# KiCad board oibus-mini-CCC_PANEL.kicad_pcb (continued)
## Routing (per net, layer and track width the routed paths; a pad name or vN(x,y) marks a point on that pad's centre or on a via; arc(x,y) is an arc through that point) (continued)
/on_off: length 943.5
  Top w0.2: SW2#2.1 38.91,28.82 38.91,29.15 38.85,29.21 38.8,29.21 38.8,30.19 39.52,30.91 SW2#2.1 40.81,31.81 42.7,29.92 ; v2(55.05,36.86) 55.05,36.66 47.67,29.28 43.34,29.28 42.7,29.92 ; U8#2.29 57.16,37.26 v2(56.35,38.07) ; 42.7,29.92 43.1,30.32 C13#2.1 ; SW2#3.1 75.91,28.82 75.91,29.15 75.85,29.21 75.8,29.21 75.8,30.19 76.52,30.91 SW2#3.1 77.81,31.81 79.7,29.92 ; v2(92.05,36.86) 92.05,36.66 84.67,29.28 80.34,29.28 79.7,29.92 ; U8#4.29 94.16,37.26 v2(93.35,38.07) ; 79.7,29.92 80.1,30.32 C13#3.1 ; SW2#4.1 112.91,28.82 112.91,29.15 112.85,29.21 112.8,29.21 112.8,30.19 113.52,30.91 SW2#4.1 114.81,31.81 116.7,29.92 ; v2(129.05,36.86) 129.05,36.66 121.67,29.28 117.34,29.28 116.7,29.92 ; U8#3.29 131.16,37.26 v2(130.35,38.07) ; 116.7,29.92 117.1,30.32 C13#4.1 ; SW2#5.1 149.91,28.82 149.91,29.15 149.85,29.21 149.8,29.21 149.8,30.19 150.52,30.91 SW2#5.1 151.81,31.81 153.7,29.92 ; v2(166.05,36.86) 166.05,36.66 158.67,29.28 154.34,29.28 153.7,29.92 ; U8#6.29 168.16,37.26 v2(167.35,38.07) ; 153.7,29.92 154.1,30.32 C13#5.1 ; SW2#6.1 186.91,28.82 186.91,29.15 186.85,29.21 186.8,29.21 186.8,30.19 187.52,30.91 SW2#6.1 188.81,31.81 190.7,29.92 ; v2(203.05,36.86) 203.05,36.66 195.67,29.28 191.34,29.28 190.7,29.92 ; U8#5.29 205.16,37.26 v2(204.35,38.07) ; 190.7,29.92 191.1,30.32 C13#6.1 ; SW2#8.1 223.91,28.82 223.91,29.15 223.85,29.21 223.8,29.21 223.8,30.19 224.52,30.91 SW2#8.1 225.81,31.81 227.7,29.92 ; v2(240.05,36.86) 240.05,36.66 232.67,29.28 228.34,29.28 227.7,29.92 ; U8#7.29 242.16,37.26 v2(241.35,38.07) ; 227.7,29.92 228.1,30.32 C13#8.1 ; SW2#7.1 260.91,28.82 260.91,29.15 260.85,29.21 260.8,29.21 260.8,30.19 261.52,30.91 SW2#7.1 262.81,31.81 264.7,29.92 ; v2(277.05,36.86) 277.05,36.66 269.67,29.28 265.34,29.28 264.7,29.92 ; U8#8.29 279.16,37.26 v2(278.35,38.07) ; 264.7,29.92 265.1,30.32 C13#7.1 ; SW2#9.1 1.91,94.82 1.91,95.15 1.85,95.21 1.8,95.21 1.8,96.19 2.52,96.91 SW2#9.1 3.81,97.81 5.7,95.92 ; v2(18.05,102.86) 18.05,102.66 10.67,95.28 6.34,95.28 5.7,95.92 ; U8#11.29 20.16,103.26 v2(19.35,104.07) ; 5.7,95.92 6.1,96.32 C13#9.1 ; SW2#11.1 75.91,94.82 75.91,95.15 75.85,95.21 75.8,95.21 75.8,96.19 76.52,96.91 SW2#11.1 77.81,97.81 79.7,95.92 ; v2(92.05,102.86) 92.05,102.66 84.67,95.28 80.34,95.28 79.7,95.92 ; U8#13.29 94.16,103.26 v2(93.35,104.07) ; 79.7,95.92 80.1,96.32 C13#11.1 ; SW2#13.1 38.91,94.82 38.91,95.15 38.85,95.21 38.8,95.21 38.8,96.19 39.52,96.91 SW2#13.1 40.81,97.81 42.7,95.92 ; v2(55.05,102.86) 55.05,102.66 47.67,95.28 43.34,95.28 42.7,95.92 ; U8#9.29 57.16,103.26 v2(56.35,104.07) ; 42.7,95.92 43.1,96.32 C13#13.1 ; SW2#12.1 112.91,94.82 112.91,95.15 112.85,95.21 112.8,95.21 112.8,96.19 113.52,96.91 SW2#12.1 114.81,97.81 116.7,95.92 ; v2(129.05,102.86) 129.05,102.66 121.67,95.28 117.34,95.28 116.7,95.92 ; U8#10.29 131.16,103.26 v2(130.35,104.07) ; 116.7,95.92 117.1,96.32 C13#12.1 ; SW2#14.1 149.91,94.82 149.91,95.15 149.85,95.21 149.8,95.21 149.8,96.19 150.52,96.91 SW2#14.1 151.81,97.81 153.7,95.92 ; v2(166.05,102.86) 166.05,102.66 158.67,95.28 154.34,95.28 153.7,95.92 ; U8#12.29 168.16,103.26 v2(167.35,104.07) ; 153.7,95.92 154.1,96.32 C13#14.1 ; SW2#10.1 186.91,94.82 186.91,95.15 186.85,95.21 186.8,95.21 186.8,96.19 187.52,96.91 SW2#10.1 188.81,97.81 190.7,95.92 ; v2(203.05,102.86) 203.05,102.66 195.67,95.28 191.34,95.28 190.7,95.92 ; U8#14.29 205.16,103.26 v2(204.35,104.07) ; 190.7,95.92 191.1,96.32 C13#10.1 ; SW2#16.1 223.91,94.82 223.91,95.15 223.85,95.21 223.8,95.21 223.8,96.19 224.52,96.91 SW2#16.1 225.81,97.81 227.7,95.92 ; v2(240.05,102.86) 240.05,102.66 232.67,95.28 228.34,95.28 227.7,95.92 ; U8#15.29 242.16,103.26 v2(241.35,104.07) ; 227.7,95.92 228.1,96.32 C13#16.1 ; v2(277.05,102.86) 277.05,102.66 269.67,95.28 265.34,95.28 264.7,95.92 ; U8#16.29 279.16,103.26 v2(278.35,104.07) ; 264.7,95.92 265.1,96.32 C13#15.1 ; 264.7,95.92 262.81,97.81 SW2#15.1 261.52,96.91 260.8,96.19 260.8,95.21 260.85,95.21 260.91,95.15 260.91,94.82 SW2#15.1 ; SW2#25.1 1.91,226.82 1.91,227.15 1.85,227.21 1.8,227.21 1.8,228.19 2.52,228.91 SW2#25.1 3.81,229.81 5.7,227.92 ; v2(18.05,234.86) 18.05,234.66 10.67,227.28 6.34,227.28 5.7,227.92 ; U8#25.29 20.16,235.26 v2(19.35,236.07) ; 5.7,227.92 6.1,228.32 C13#25.1 ; SW2#27.1 75.91,226.82 75.91,227.15 75.85,227.21 75.8,227.21 75.8,228.19 76.52,228.91 SW2#27.1 77.81,229.81 79.7,227.92 ; v2(92.05,234.86) 92.05,234.66 84.67,227.28 80.34,227.28 79.7,227.92 ; U8#29.29 94.16,235.26 v2(93.35,236.07) ; 79.7,227.92 80.1,228.32 C13#27.1 ; SW2#29.1 38.91,226.82 38.91,227.15 38.85,227.21 38.8,227.21 38.8,228.19 39.52,228.91 SW2#29.1 40.81,229.81 42.7,227.92 ; v2(55.05,234.86) 55.05,234.66 47.67,227.28 43.34,227.28 42.7,227.92 ; U8#21.29 57.16,235.26 v2(56.35,236.07) ; 42.7,227.92 43.1,228.32 C13#29.1 ; U8#24.29 131.16,235.26 v2(130.35,236.07) ; 116.7,227.92 117.1,228.32 C13#28.1 ; 116.7,227.92 117.34,227.28 121.67,227.28 129.05,234.66 v2(129.05,234.86) ; 116.7,227.92 114.81,229.81 SW2#28.1 113.52,228.91 112.8,228.19 112.8,227.21 112.85,227.21 112.91,227.15 112.91,226.82 SW2#28.1 ; SW2#30.1 149.91,226.82 149.91,227.15 149.85,227.21 149.8,227.21 149.8,228.19 150.52,228.91 SW2#30.1 151.81,229.81 153.7,227.92 ; v2(166.05,234.86) 166.05,234.66 158.67,227.28 154.34,227.28 153.7,227.92 ; U8#28.29 168.16,235.26 v2(167.35,236.07) ; 153.7,227.92 154.1,228.32 C13#30.1 ; SW2#17.1 1.91,160.82 1.91,161.15 1.85,161.21 1.8,161.21 1.8,162.19 2.52,162.91 SW2#17.1 3.81,163.81 5.7,161.92 ; v2(18.05,168.86) 18.05,168.66 10.67,161.28 6.34,161.28 5.7,161.92 ; U8#19.29 20.16,169.26 v2(19.35,170.07) ; 5.7,161.92 6.1,162.32 C13#17.1 ; SW2#19.1 75.91,160.82 75.91,161.15 75.85,161.21 75.8,161.21 75.8,162.19 76.52,162.91 SW2#19.1 77.81,163.81 79.7,161.92 ; v2(92.05,168.86) 92.05,168.66 84.67,161.28 80.34,161.28 79.7,161.92 ; U8#22.29 94.16,169.26 v2(93.35,170.07) ; 79.7,161.92 80.1,162.32 C13#19.1 ; SW2#21.1 38.91,160.82 38.91,161.15 38.85,161.21 38.8,161.21 38.8,162.19 39.52,162.91 SW2#21.1 40.81,163.81 42.7,161.92 ; v2(55.05,168.86) 55.05,168.66 47.67,161.28 43.34,161.28 42.7,161.92 ; U8#17.29 57.16,169.26 v2(56.35,170.07) ; 42.7,161.92 43.1,162.32 C13#21.1 ; SW2#20.1 112.91,160.82 112.91,161.15 112.85,161.21 112.8,161.21 112.8,162.19 113.52,162.91 SW2#20.1 114.81,163.81 116.7,161.92 ; v2(129.05,168.86) 129.05,168.66 121.67,161.28 117.34,161.28 116.7,161.92 ; U8#18.29 131.16,169.26 v2(130.35,170.07) ; 116.7,161.92 117.1,162.32 C13#20.1 ; SW2#22.1 149.91,160.82 149.91,161.15 149.85,161.21 149.8,161.21 149.8,162.19 150.52,162.91 SW2#22.1 151.81,163.81 153.7,161.92 ; v2(166.05,168.86) 166.05,168.66 158.67,161.28 154.34,161.28 153.7,161.92 ; U8#20.29 168.16,169.26 v2(167.35,170.07) ; 153.7,161.92 154.1,162.32 C13#22.1 ; SW2#18.1 186.91,160.82 186.91,161.15 186.85,161.21 186.8,161.21 186.8,162.19 187.52,162.91 SW2#18.1 188.81,163.81 190.7,161.92 ; v2(203.05,168.86) 203.05,168.66 195.67,161.28 191.34,161.28 190.7,161.92 ; U8#23.29 205.16,169.26 v2(204.35,170.07) ; 190.7,161.92 191.1,162.32 C13#18.1 ; SW2#24.1 223.91,160.82 223.91,161.15 223.85,161.21 223.8,161.21 223.8,162.19 224.52,162.91 SW2#24.1 225.81,163.81 227.7,161.92 ; v2(240.05,168.86) 240.05,168.66 232.67,161.28 228.34,161.28 227.7,161.92 ; U8#26.29 242.16,169.26 v2(241.35,170.07) ; 227.7,161.92 228.1,162.32 C13#24.1 ; v2(277.05,168.86) 277.05,168.66 269.67,161.28 265.34,161.28 264.7,161.92 ; U8#27.29 279.16,169.26 v2(278.35,170.07) ; 264.7,161.92 265.1,162.32 C13#23.1 ; 264.7,161.92 262.81,163.81 SW2#23.1 261.52,162.91 260.8,162.19 260.8,161.21 260.85,161.21 260.91,161.15 260.91,160.82 SW2#23.1 ; U8#30.29 205.16,235.26 v2(204.35,236.07) ; 190.7,227.92 191.1,228.32 C13#26.1 ; 190.7,227.92 191.34,227.28 195.67,227.28 203.05,234.66 v2(203.05,234.86) ; 190.7,227.92 188.81,229.81 SW2#26.1 187.52,228.91 186.8,228.19 186.8,227.21 186.85,227.21 186.91,227.15 186.91,226.82 SW2#26.1 ; v2(241.35,236.07) 242.16,235.26 U8#31.29 ; 227.7,227.92 228.1,228.32 C13#32.1 ; 227.7,227.92 228.34,227.28 232.67,227.28 240.05,234.66 v2(240.05,234.86) ; 227.7,227.92 225.81,229.81 SW2#32.1 224.52,228.91 223.8,228.19 223.8,227.21 223.85,227.21 223.91,227.15 223.91,226.82 SW2#32.1 ; SW2#31.1 260.91,226.82 260.91,227.15 260.85,227.21 260.8,227.21 260.8,228.19 261.52,228.91 SW2#31.1 262.81,229.81 264.7,227.92 ; v2(277.05,234.86) 277.05,234.66 269.67,227.28 265.34,227.28 264.7,227.92 ; U8#32.29 279.16,235.26 v2(278.35,236.07) ; 264.7,227.92 265.1,228.32 C13#31.1 ; 5.7,29.92 6.34,29.28 10.67,29.28 18.05,36.66 v2(18.05,36.86) ; 5.7,29.92 6.1,30.32 C13.1 ; 5.7,29.92 3.81,31.81 SW2.1 2.52,30.91 1.8,30.19 1.8,29.21 1.85,29.21 1.91,29.15 1.91,28.82 SW2.1 ; U8.29 20.16,37.26 v2(19.35,38.07)
  Bottom w0.2: v2(56.35,38.07) 56.26,38.07 v2(55.05,36.86) ; v2(93.35,38.07) 93.26,38.07 v2(92.05,36.86) ; v2(130.35,38.07) 130.26,38.07 v2(129.05,36.86) ; v2(167.35,38.07) 167.26,38.07 v2(166.05,36.86) ; v2(204.35,38.07) 204.26,38.07 v2(203.05,36.86) ; v2(241.35,38.07) 241.26,38.07 v2(240.05,36.86) ; v2(278.35,38.07) 278.26,38.07 v2(277.05,36.86) ; v2(19.35,104.07) 19.26,104.07 v2(18.05,102.86) ; v2(93.35,104.07) 93.26,104.07 v2(92.05,102.86) ; v2(56.35,104.07) 56.26,104.07 v2(55.05,102.86) ; v2(130.35,104.07) 130.26,104.07 v2(129.05,102.86) ; v2(167.35,104.07) 167.26,104.07 v2(166.05,102.86) ; v2(204.35,104.07) 204.26,104.07 v2(203.05,102.86) ; v2(241.35,104.07) 241.26,104.07 v2(240.05,102.86) ; v2(278.35,104.07) 278.26,104.07 v2(277.05,102.86) ; v2(19.35,236.07) 19.26,236.07 v2(18.05,234.86) ; v2(93.35,236.07) 93.26,236.07 v2(92.05,234.86) ; v2(56.35,236.07) 56.26,236.07 v2(55.05,234.86) ; v2(130.35,236.07) 130.26,236.07 v2(129.05,234.86) ; v2(167.35,236.07) 167.26,236.07 v2(166.05,234.86) ; v2(19.35,170.07) 19.26,170.07 v2(18.05,168.86) ; v2(93.35,170.07) 93.26,170.07 v2(92.05,168.86) ; v2(56.35,170.07) 56.26,170.07 v2(55.05,168.86) ; v2(130.35,170.07) 130.26,170.07 v2(129.05,168.86) ; v2(167.35,170.07) 167.26,170.07 v2(166.05,168.86) ; v2(204.35,170.07) 204.26,170.07 v2(203.05,168.86) ; v2(241.35,170.07) 241.26,170.07 v2(240.05,168.86) ; v2(278.35,170.07) 278.26,170.07 v2(277.05,168.86) ; v2(204.35,236.07) 204.26,236.07 v2(203.05,234.86) ; v2(241.35,236.07) 241.26,236.07 v2(240.05,234.86) ; v2(278.35,236.07) 278.26,236.07 v2(277.05,234.86) ; v2(19.35,38.07) 19.26,38.07 v2(18.05,36.86)
/RED: length 777.4
  Top w0.2: v2(63.59,44.82) 63.39,44.63 U8#2.18 ; R17#2.1 72.38,56.91 72.31,56.91 ; v2(100.59,44.82) 100.39,44.63 U8#4.18 ; R17#3.1 109.38,56.91 109.31,56.91 ; v2(137.59,44.82) 137.39,44.63 U8#3.18 ; R17#4.1 146.38,56.91 146.31,56.91 ; v2(211.59,44.82) 211.39,44.63 U8#5.18 ; R17#6.1 220.38,56.91 220.31,56.91 ; v2(174.59,44.82) 174.39,44.63 U8#6.18 ; R17#5.1 183.38,56.91 183.31,56.91 ; v2(285.59,44.82) 285.39,44.63 U8#8.18 ; R17#7.1 294.38,56.91 294.31,56.91 ; v2(248.59,44.82) 248.39,44.63 U8#7.18 ; R17#8.1 257.38,56.91 257.31,56.91 ; v2(26.59,110.82) 26.39,110.63 U8#11.18 ; R17#9.1 35.38,122.91 35.31,122.91 ; v2(137.59,110.82) 137.39,110.63 U8#10.18 ; R17#12.1 146.38,122.91 146.31,122.91 ; v2(63.59,110.82) 63.39,110.63 U8#9.18 ; R17#13.1 72.38,122.91 72.31,122.91 ; v2(100.59,110.82) 100.39,110.63 U8#13.18 ; R17#11.1 109.38,122.91 109.31,122.91 ; v2(211.59,110.82) 211.39,110.63 U8#14.18 ; R17#10.1 220.38,122.91 220.31,122.91 ; v2(174.59,110.82) 174.39,110.63 U8#12.18 ; R17#14.1 183.38,122.91 183.31,122.91 ; v2(285.59,110.82) 285.39,110.63 U8#16.18 ; R17#15.1 294.38,122.91 294.31,122.91 ; v2(248.59,110.82) 248.39,110.63 U8#15.18 ; R17#16.1 257.38,122.91 257.31,122.91 ; v2(26.59,242.82) 26.39,242.63 U8#25.18 ; R17#24.1 35.38,254.91 35.31,254.91 ; v2(63.59,242.82) 63.39,242.63 U8#21.18 ; R17#29.1 72.38,254.91 72.31,254.91 ; v2(137.59,242.82) 137.39,242.63 U8#24.18 ; R17#28.1 146.38,254.91 146.31,254.91 ; v2(100.59,242.82) 100.39,242.63 U8#29.18 ; R17#27.1 109.38,254.91 109.31,254.91 ; v2(211.59,242.82) 211.39,242.63 U8#30.18 ; R17#26.1 220.38,254.91 220.31,254.91 ; v2(26.59,176.82) 26.39,176.63 U8#19.18 ; R17#17.1 35.38,188.91 35.31,188.91 ; v2(137.59,176.82) 137.39,176.63 U8#18.18 ; R17#20.1 146.38,188.91 146.31,188.91 ; v2(63.59,176.82) 63.39,176.63 U8#17.18 ; R17#21.1 72.38,188.91 72.31,188.91 ; v2(100.59,176.82) 100.39,176.63 U8#22.18 ; R17#19.1 109.38,188.91 109.31,188.91 ; v2(211.59,176.82) 211.39,176.63 U8#23.18 ; R17#18.1 220.38,188.91 220.31,188.91 ; v2(174.59,176.82) 174.39,176.63 U8#20.18 ; R17#22.1 183.38,188.91 183.31,188.91 ; v2(285.59,176.82) 285.39,176.63 U8#27.18 ; R17#23.1 294.38,188.91 294.31,188.91 ; v2(248.59,176.82) 248.39,176.63 U8#26.18 ; R17#25.1 257.38,188.91 257.31,188.91 ; v2(174.59,242.82) 174.39,242.63 U8#28.18 ; R17#30.1 183.38,254.91 183.31,254.91 ; v2(285.59,242.82) 285.39,242.63 U8#32.18 ; R17#31.1 294.38,254.91 294.31,254.91 ; v2(248.59,242.82) 248.39,242.63 U8#31.18 ; R17#32.1 257.38,254.91 257.31,254.91 ; 35.31,56.91 35.38,56.91 R17.1 ; v2(26.59,44.82) 26.39,44.63 U8.18
  Bottom w0.2: 72.31,56.91 72.9,56.32 72.9,48.91 71.7,47.71 69.49,47.71 68.79,47.01 65.77,47.01 v2(63.59,44.82) ; 109.31,56.91 109.9,56.32 109.9,48.91 108.7,47.71 106.49,47.71 105.79,47.01 102.77,47.01 v2(100.59,44.82) ; 146.31,56.91 146.9,56.32 146.9,48.91 145.7,47.71 143.49,47.71 142.79,47.01 139.77,47.01 v2(137.59,44.82) ; 220.31,56.91 220.9,56.32 220.9,48.91 219.7,47.71 217.49,47.71 216.79,47.01 213.77,47.01 v2(211.59,44.82) ; 183.31,56.91 183.9,56.32 183.9,48.91 182.7,47.71 180.49,47.71 179.79,47.01 176.77,47.01 v2(174.59,44.82) ; 294.31,56.91 294.9,56.32 294.9,48.91 293.7,47.71 291.49,47.71 290.79,47.01 287.77,47.01 v2(285.59,44.82) ; 257.31,56.91 257.9,56.32 257.9,48.91 256.7,47.71 254.49,47.71 253.79,47.01 250.77,47.01 v2(248.59,44.82) ; 35.31,122.91 35.9,122.32 35.9,114.91 34.7,113.71 32.49,113.71 31.79,113.01 28.77,113.01 v2(26.59,110.82) ; 146.31,122.91 146.9,122.32 146.9,114.91 145.7,113.71 143.49,113.71 142.79,113.01 139.77,113.01 v2(137.59,110.82) ; 72.31,122.91 72.9,122.32 72.9,114.91 71.7,113.71 69.49,113.71 68.79,113.01 65.77,113.01 v2(63.59,110.82) ; 109.31,122.91 109.9,122.32 109.9,114.91 108.7,113.71 106.49,113.71 105.79,113.01 102.77,113.01 v2(100.59,110.82) ; 220.31,122.91 220.9,122.32 220.9,114.91 219.7,113.71 217.49,113.71 216.79,113.01 213.77,113.01 v2(211.59,110.82) ; 183.31,122.91 183.9,122.32 183.9,114.91 182.7,113.71 180.49,113.71 179.79,113.01 176.77,113.01 v2(174.59,110.82) ; 294.31,122.91 294.9,122.32 294.9,114.91 293.7,113.71 291.49,113.71 290.79,113.01 287.77,113.01 v2(285.59,110.82) ; 257.31,122.91 257.9,122.32 257.9,114.91 256.7,113.71 254.49,113.71 253.79,113.01 250.77,113.01 v2(248.59,110.82) ; 35.31,254.91 35.9,254.32 35.9,246.91 34.7,245.71 32.49,245.71 31.79,245.01 28.77,245.01 v2(26.59,242.82) ; 72.31,254.91 72.9,254.32 72.9,246.91 71.7,245.71 69.49,245.71 68.79,245.01 65.77,245.01 v2(63.59,242.82) ; 146.31,254.91 146.9,254.32 146.9,246.91 145.7,245.71 143.49,245.71 142.79,245.01 139.77,245.01 v2(137.59,242.82) ; 109.31,254.91 109.9,254.32 109.9,246.91 108.7,245.71 106.49,245.71 105.79,245.01 102.77,245.01 v2(100.59,242.82) ; 220.31,254.91 220.9,254.32 220.9,246.91 219.7,245.71 217.49,245.71 216.79,245.01 213.77,245.01 v2(211.59,242.82) ; 35.31,188.91 35.9,188.32 35.9,180.91 34.7,179.71 32.49,179.71 31.79,179.01 28.77,179.01 v2(26.59,176.82) ; 146.31,188.91 146.9,188.32 146.9,180.91 145.7,179.71 143.49,179.71 142.79,179.01 139.77,179.01 v2(137.59,176.82) ; 72.31,188.91 72.9,188.32 72.9,180.91 71.7,179.71 69.49,179.71 68.79,179.01 65.77,179.01 v2(63.59,176.82) ; 109.31,188.91 109.9,188.32 109.9,180.91 108.7,179.71 106.49,179.71 105.79,179.01 102.77,179.01 v2(100.59,176.82) ; 220.31,188.91 220.9,188.32 220.9,180.91 219.7,179.71 217.49,179.71 216.79,179.01 213.77,179.01 v2(211.59,176.82) ; 183.31,188.91 183.9,188.32 183.9,180.91 182.7,179.71 180.49,179.71 179.79,179.01 176.77,179.01 v2(174.59,176.82) ; 294.31,188.91 294.9,188.32 294.9,180.91 293.7,179.71 291.49,179.71 290.79,179.01 287.77,179.01 v2(285.59,176.82) ; 257.31,188.91 257.9,188.32 257.9,180.91 256.7,179.71 254.49,179.71 253.79,179.01 250.77,179.01 v2(248.59,176.82) ; 183.31,254.91 183.9,254.32 183.9,246.91 182.7,245.71 180.49,245.71 179.79,245.01 176.77,245.01 v2(174.59,242.82) ; 294.31,254.91 294.9,254.32 294.9,246.91 293.7,245.71 291.49,245.71 290.79,245.01 287.77,245.01 v2(285.59,242.82) ; v2(248.59,242.82) 250.77,245.01 253.79,245.01 254.49,245.71 256.7,245.71 257.9,246.91 257.9,254.32 257.31,254.91 ; 35.31,56.91 35.9,56.32 35.9,48.91 34.7,47.71 32.49,47.71 31.79,47.01 28.77,47.01 v2(26.59,44.82)
  vias: v2(35.31,254.96) v2(35.31,188.96) v2(35.31,122.96) v2(35.31,56.96) v2(72.31,254.96) v2(72.31,188.96) v2(72.31,122.96) v2(72.31,56.96) v2(109.31,254.96) v2(109.31,188.96) v2(109.31,122.96) v2(109.31,56.96) v2(146.31,254.96) v2(146.31,188.96) v2(146.31,122.96) v2(146.31,56.96) v2(183.31,254.96) v2(183.31,188.96) v2(183.31,122.96) v2(183.31,56.96) v2(220.31,254.96) v2(220.31,188.96) v2(220.31,122.96) v2(220.31,56.96) v2(257.31,254.96) v2(257.31,188.96) v2(257.31,122.96) v2(257.31,56.96) v2(294.31,254.96) v2(294.31,188.96) v2(294.31,122.96) v2(294.31,56.96)
/SCL: length 1710.8
  Top w0.15: 40,20.06 38.94,20.06 38.71,20.28 37.74,20.28 37.45,20.57 37.45,22.35 40.31,25.21 v2(44,25.21) ; 77,20.06 75.94,20.06 75.71,20.28 74.74,20.28 74.45,20.57 74.45,22.35 77.31,25.21 v2(81,25.21) ; 114,20.06 112.94,20.06 112.71,20.28 111.74,20.28 111.45,20.57 111.45,22.35 114.31,25.21 v2(118,25.21) ; 151,20.06 149.94,20.06 149.71,20.28 148.74,20.28 148.45,20.57 148.45,22.35 151.31,25.21 v2(155,25.21) ; 188,20.06 186.94,20.06 186.71,20.28 185.74,20.28 185.45,20.57 185.45,22.35 188.31,25.21 v2(192,25.21) ; 225,20.06 223.94,20.06 223.71,20.28 222.74,20.28 222.45,20.57 222.45,22.35 225.31,25.21 v2(229,25.21) ; 262,20.06 260.94,20.06 260.71,20.28 259.74,20.28 259.45,20.57 259.45,22.35 262.31,25.21 v2(266,25.21) ; 3,86.06 1.94,86.06 1.71,86.28 0.74,86.28 0.45,86.57 0.45,88.35 3.31,91.21 v2(7,91.21) ; 77,86.06 75.94,86.06 75.71,86.28 74.74,86.28 74.45,86.57 74.45,88.35 77.31,91.21 v2(81,91.21) ; 40,86.06 38.94,86.06 38.71,86.28 37.74,86.28 37.45,86.57 37.45,88.35 40.31,91.21 v2(44,91.21) ; 114,86.06 112.94,86.06 112.71,86.28 111.74,86.28 111.45,86.57 111.45,88.35 114.31,91.21 v2(118,91.21) ; 151,86.06 149.94,86.06 149.71,86.28 148.74,86.28 148.45,86.57 148.45,88.35 151.31,91.21 v2(155,91.21) ; 188,86.06 186.94,86.06 186.71,86.28 185.74,86.28 185.45,86.57 185.45,88.35 188.31,91.21 v2(192,91.21) ; 262,86.06 260.94,86.06 260.71,86.28 259.74,86.28 259.45,86.57 259.45,88.35 262.31,91.21 v2(266,91.21) ; 225,86.06 223.94,86.06 223.71,86.28 222.74,86.28 222.45,86.57 222.45,88.35 225.31,91.21 v2(229,91.21) ; 3,218.06 1.94,218.06 1.71,218.28 0.74,218.28 0.45,218.57 0.45,220.35 3.31,223.21 v2(7,223.21) ; 77,218.06 75.94,218.06 75.71,218.28 74.74,218.28 74.45,218.57 74.45,220.35 77.31,223.21 v2(81,223.21) ; 40,218.06 38.94,218.06 38.71,218.28 37.74,218.28 37.45,218.57 37.45,220.35 40.31,223.21 v2(44,223.21) ; 114,218.06 112.94,218.06 112.71,218.28 111.74,218.28 111.45,218.57 111.45,220.35 114.31,223.21 v2(118,223.21) ; 151,218.06 149.94,218.06 149.71,218.28 148.74,218.28 148.45,218.57 148.45,220.35 151.31,223.21 v2(155,223.21) ; 3,152.06 1.94,152.06 1.71,152.28 0.74,152.28 0.45,152.57 0.45,154.35 3.31,157.21 v2(7,157.21) ; 77,152.06 75.94,152.06 75.71,152.28 74.74,152.28 74.45,152.57 74.45,154.35 77.31,157.21 v2(81,157.21) ; 40,152.06 38.94,152.06 38.71,152.28 37.74,152.28 37.45,152.57 37.45,154.35 40.31,157.21 v2(44,157.21) ; 114,152.06 112.94,152.06 112.71,152.28 111.74,152.28 111.45,152.57 111.45,154.35 114.31,157.21 v2(118,157.21) ; 151,152.06 149.94,152.06 149.71,152.28 148.74,152.28 148.45,152.57 148.45,154.35 151.31,157.21 v2(155,157.21) ; 188,152.06 186.94,152.06 186.71,152.28 185.74,152.28 185.45,152.57 185.45,154.35 188.31,157.21 v2(192,157.21) ; 262,152.06 260.94,152.06 260.71,152.28 259.74,152.28 259.45,152.57 259.45,154.35 262.31,157.21 v2(266,157.21) ; 225,152.06 223.94,152.06 223.71,152.28 222.74,152.28 222.45,152.57 222.45,154.35 225.31,157.21 v2(229,157.21) ; 188,218.06 186.94,218.06 186.71,218.28 185.74,218.28 185.45,218.57 185.45,220.35 188.31,223.21 v2(192,223.21) ; 225,218.06 223.94,218.06 223.71,218.28 222.74,218.28 222.45,218.57 222.45,220.35 225.31,223.21 v2(229,223.21) ; 262,218.06 260.94,218.06 260.71,218.28 259.74,218.28 259.45,218.57 259.45,220.35 262.31,223.21 v2(266,223.21) ; v2(7,25.21) 3.31,25.21 0.45,22.35 0.45,20.57 0.74,20.28 1.71,20.28 1.94,20.06 3,20.06
  Top w0.2: R11#2.2 60.86,26.21 ; 60.86,26.21 60.72,26.35 60.72,27.68 61.06,28.02 61.06,28.02 62.89,29.85 U8#2.42 ; 60.86,26.21 60.58,25.92 v2(59.6,25.92) 59.3,25.62 59.18,25.62 57.96,24.41 54.24,24.41 53.74,24.91 51.5,24.91 51.42,24.83 47.9,24.83 v2(47.86,24.87) ; v2(59.95,24.44) 59.65,24.14 59.65,23.46 59.1,22.91 59.1,17.57 H2#2.6 ; R11#4.2 97.86,26.21 ; 97.86,26.21 97.72,26.35 97.72,27.68 98.06,28.02 98.06,28.02 99.89,29.85 U8#4.42 ; 97.86,26.21 97.58,25.92 v2(96.6,25.92) 96.3,25.62 96.18,25.62 94.96,24.41 91.24,24.41 90.74,24.91 88.5,24.91 88.42,24.83 84.9,24.83 v2(84.86,24.87) ; v2(96.95,24.44) 96.65,24.14 96.65,23.46 96.1,22.91 96.1,17.57 H2#3.6 ; R11#3.2 134.86,26.21 ; 134.86,26.21 134.72,26.35 134.72,27.68 135.06,28.02 135.06,28.02 136.89,29.85 U8#3.42 ; 134.86,26.21 134.58,25.92 v2(133.6,25.92) 133.3,25.62 133.18,25.62 131.96,24.41 128.24,24.41 127.74,24.91 125.5,24.91 125.42,24.83 121.9,24.83 v2(121.86,24.87) ; v2(133.95,24.44) 133.65,24.14 133.65,23.46 133.1,22.91 133.1,17.57 H2#4.6 ; R11#6.2 171.86,26.21 ; 171.86,26.21 171.72,26.35 171.72,27.68 172.06,28.02 172.06,28.02 173.89,29.85 U8#6.42 ; 171.86,26.21 171.58,25.92 v2(170.6,25.92) 170.3,25.62 170.18,25.62 168.96,24.41 165.24,24.41 164.74,24.91 162.5,24.91 162.42,24.83 158.9,24.83 v2(158.86,24.87) ; v2(170.95,24.44) 170.65,24.14 170.65,23.46 170.1,22.91 170.1,17.57 H2#6.6 ; R11#5.2 208.86,26.21 ; 208.86,26.21 208.72,26.35 208.72,27.68 209.06,28.02 209.06,28.02 210.89,29.85 U8#5.42 ; 208.86,26.21 208.58,25.92 v2(207.6,25.92) 207.3,25.62 207.18,25.62 205.96,24.41 202.24,24.41 201.74,24.91 199.5,24.91 199.42,24.83 195.9,24.83 v2(195.86,24.87) ; v2(207.95,24.44) 207.65,24.14 207.65,23.46 207.1,22.91 207.1,17.57 H2#5.6 ; R11#8.2 245.86,26.21 ; 245.86,26.21 245.72,26.35 245.72,27.68 246.06,28.02 246.06,28.02 247.89,29.85 U8#7.42 ; 245.86,26.21 245.58,25.92 v2(244.6,25.92) 244.3,25.62 244.18,25.62 242.96,24.41 239.24,24.41 238.74,24.91 236.5,24.91 236.42,24.83 232.9,24.83 v2(232.86,24.87) ; v2(244.95,24.44) 244.65,24.14 244.65,23.46 244.1,22.91 244.1,17.57 H2#7.6 ; R11#7.2 282.86,26.21 ; 282.86,26.21 282.72,26.35 282.72,27.68 283.06,28.02 283.06,28.02 284.89,29.85 U8#8.42 ; 282.86,26.21 282.58,25.92 v2(281.6,25.92) 281.3,25.62 281.18,25.62 279.96,24.41 276.24,24.41 275.74,24.91 273.5,24.91 273.42,24.83 269.9,24.83 v2(269.86,24.87) ; v2(281.95,24.44) 281.65,24.14 281.65,23.46 281.1,22.91 281.1,17.57 H2#8.6 ; R11#10.2 23.86,92.21 ; 23.86,92.21 23.72,92.35 23.72,93.68 24.06,94.02 24.06,94.02 25.89,95.85 U8#11.42 ; 23.86,92.21 23.58,91.92 v2(22.6,91.92) 22.3,91.62 22.18,91.62 20.96,90.41 17.24,90.41 16.74,90.91 14.5,90.91 14.42,90.83 10.9,90.83 v2(10.86,90.87) ; v2(22.95,90.44) 22.65,90.14 22.65,89.46 22.1,88.91 22.1,83.57 H2#9.6 ; R11#14.2 97.86,92.21 ; 97.86,92.21 97.72,92.35 97.72,93.68 98.06,94.02 98.06,94.02 99.89,95.85 U8#13.42 ; 97.86,92.21 97.58,91.92 v2(96.6,91.92) 96.3,91.62 96.18,91.62 94.96,90.41 91.24,90.41 90.74,90.91 88.5,90.91 88.42,90.83 84.9,90.83 v2(84.86,90.87) ; v2(96.95,90.44) 96.65,90.14 96.65,89.46 96.1,88.91 96.1,83.57 H2#13.6 ; R11#9.2 60.86,92.21 ; 60.86,92.21 60.72,92.35 60.72,93.68 61.06,94.02 61.06,94.02 62.89,95.85 U8#9.42 ; 60.86,92.21 60.58,91.92 v2(59.6,91.92) 59.3,91.62 59.18,91.62 57.96,90.41 54.24,90.41 53.74,90.91 51.5,90.91 51.42,90.83 47.9,90.83 v2(47.86,90.87) ; v2(59.95,90.44) 59.65,90.14 59.65,89.46 59.1,88.91 59.1,83.57 H2#12.6 ; R11#13.2 134.86,92.21 ; 134.86,92.21 134.72,92.35 134.72,93.68 135.06,94.02 135.06,94.02 136.89,95.85 U8#10.42 ; 134.86,92.21 134.58,91.92 v2(133.6,91.92) 133.3,91.62 133.18,91.62 131.96,90.41 128.24,90.41 127.74,90.91 125.5,90.91 125.42,90.83 121.9,90.83 v2(121.86,90.87) ; v2(133.95,90.44) 133.65,90.14 133.65,89.46 133.1,88.91 133.1,83.57 H2#11.6 ; R11#12.2 171.86,92.21 ; 171.86,92.21 171.72,92.35 171.72,93.68 172.06,94.02 172.06,94.02 173.89,95.85 U8#12.42 ; 171.86,92.21 171.58,91.92 v2(170.6,91.92) 170.3,91.62 170.18,91.62 168.96,90.41 165.24,90.41 164.74,90.91 162.5,90.91 162.42,90.83 158.9,90.83 v2(158.86,90.87) ; v2(170.95,90.44) 170.65,90.14 170.65,89.46 170.1,88.91 170.1,83.57 H2#10.6 ; R11#11.2 208.86,92.21 ; 208.86,92.21 208.72,92.35 208.72,93.68 209.06,94.02 209.06,94.02 210.89,95.85 U8#14.42 ; 208.86,92.21 208.58,91.92 v2(207.6,91.92) 207.3,91.62 207.18,91.62 205.96,90.41 202.24,90.41 201.74,90.91 199.5,90.91 199.42,90.83 195.9,90.83 v2(195.86,90.87) ; v2(207.95,90.44) 207.65,90.14 207.65,89.46 207.1,88.91 207.1,83.57 H2#14.6 ; 282.86,92.21 282.58,91.92 v2(281.6,91.92) 281.3,91.62 281.18,91.62 279.96,90.41 276.24,90.41 275.74,90.91 273.5,90.91 273.42,90.83 269.9,90.83 v2(269.86,90.87) ; 282.86,92.21 R11#15.2 ; 282.86,92.21 282.72,92.35 282.72,93.68 283.06,94.02 283.06,94.02 284.89,95.85 U8#16.42 ; v2(281.95,90.44) 281.65,90.14 281.65,89.46 281.1,88.91 281.1,83.57 H2#16.6 ; R11#16.2 245.86,92.21 ; 245.86,92.21 245.72,92.35 245.72,93.68 246.06,94.02 246.06,94.02 247.89,95.85 U8#15.42 ; 245.86,92.21 245.58,91.92 v2(244.6,91.92) 244.3,91.62 244.18,91.62 242.96,90.41 239.24,90.41 238.74,90.91 236.5,90.91 236.42,90.83 232.9,90.83 v2(232.86,90.87) ; v2(244.95,90.44) 244.65,90.14 244.65,89.46 244.1,88.91 244.1,83.57 H2#15.6 ; 23.86,224.21 23.58,223.92 v2(22.6,223.92) 22.3,223.62 22.18,223.62 20.96,222.41 17.24,222.41 16.74,222.91 14.5,222.91 14.42,222.83 10.9,222.83 v2(10.86,222.87) ; 23.86,224.21 R11#24.2 ; 23.86,224.21 23.72,224.35 23.72,225.68 24.06,226.02 24.06,226.02 25.89,227.85 U8#25.42 ; v2(22.95,222.44) 22.65,222.14 22.65,221.46 22.1,220.91 22.1,215.57 H2#23.6 ; v2(96.95,222.44) 96.65,222.14 96.65,221.46 96.1,220.91 96.1,215.57 H2#29.6 ; 97.86,224.21 97.58,223.92 v2(96.6,223.92) 96.3,223.62 96.18,223.62 94.96,222.41 91.24,222.41 90.74,222.91 88.5,222.91 88.42,222.83 84.9,222.83 v2(84.86,222.87) ; 97.86,224.21 R11#30.2 ; 97.86,224.21 97.72,224.35 97.72,225.68 98.06,226.02 98.06,226.02 99.89,227.85 U8#29.42 ; R11#23.2 60.86,224.21 ; 60.86,224.21 60.72,224.35 60.72,225.68 61.06,226.02 61.06,226.02 62.89,227.85 U8#21.42 ; 60.86,224.21 60.58,223.92 v2(59.6,223.92) 59.3,223.62 59.18,223.62 57.96,222.41 54.24,222.41 53.74,222.91 51.5,222.91 51.42,222.83 47.9,222.83 v2(47.86,222.87) ; v2(59.95,222.44) 59.65,222.14 59.65,221.46 59.1,220.91 59.1,215.57 H2#28.6 ; 134.86,224.21 134.58,223.92 v2(133.6,223.92) 133.3,223.62 133.18,223.62 131.96,222.41 128.24,222.41 127.74,222.91 125.5,222.91 125.42,222.83 121.9,222.83 v2(121.86,222.87) ; 134.86,224.21 R11#29.2 ; 134.86,224.21 134.72,224.35 134.72,225.68 135.06,226.02 135.06,226.02 136.89,227.85 U8#24.42 ; v2(133.95,222.44) 133.65,222.14 133.65,221.46 133.1,220.91 133.1,215.57 H2#27.6 ; R11#28.2 171.86,224.21 ; 171.86,224.21 171.72,224.35 171.72,225.68 172.06,226.02 172.06,226.02 173.89,227.85 U8#28.42 ; 171.86,224.21 171.58,223.92 v2(170.6,223.92) 170.3,223.62 170.18,223.62 168.96,222.41 165.24,222.41 164.74,222.91 162.5,222.91 162.42,222.83 158.9,222.83 v2(158.86,222.87) ; v2(170.95,222.44) 170.65,222.14 170.65,221.46 170.1,220.91 170.1,215.57 H2#26.6 ; R11#18.2 23.86,158.21 ; 23.86,158.21 23.72,158.35 23.72,159.68 24.06,160.02 24.06,160.02 25.89,161.85 U8#19.42 ; 23.86,158.21 23.58,157.92 v2(22.6,157.92) 22.3,157.62 22.18,157.62 20.96,156.41 17.24,156.41 16.74,156.91 14.5,156.91 14.42,156.83 10.9,156.83 v2(10.86,156.87) ; v2(22.95,156.44) 22.65,156.14 22.65,155.46 22.1,154.91 22.1,149.57 H2#17.6 ; R11#22.2 97.86,158.21 ; 97.86,158.21 97.72,158.35 97.72,159.68 98.06,160.02 98.06,160.02 99.89,161.85 U8#22.42 ; 97.86,158.21 97.58,157.92 v2(96.6,157.92) 96.3,157.62 96.18,157.62 94.96,156.41 91.24,156.41 90.74,156.91 88.5,156.91 88.42,156.83 84.9,156.83 v2(84.86,156.87) ; v2(96.95,156.44) 96.65,156.14 96.65,155.46 96.1,154.91 96.1,149.57 H2#21.6 ; R11#17.2 60.86,158.21 ; 60.86,158.21 60.72,158.35 60.72,159.68 61.06,160.02 61.06,160.02 62.89,161.85 U8#17.42 ; 60.86,158.21 60.58,157.92 v2(59.6,157.92) 59.3,157.62 59.18,157.62 57.96,156.41 54.24,156.41 53.74,156.91 51.5,156.91 51.42,156.83 47.9,156.83 v2(47.86,156.87) ; v2(59.95,156.44) 59.65,156.14 59.65,155.46 59.1,154.91 59.1,149.57 H2#20.6 ; R11#21.2 134.86,158.21 ; 134.86,158.21 134.72,158.35 134.72,159.68 135.06,160.02 135.06,160.02 136.89,161.85 U8#18.42 ; 134.86,158.21 134.58,157.92 v2(133.6,157.92) 133.3,157.62 133.18,157.62 131.96,156.41 128.24,156.41 127.74,156.91 125.5,156.91 125.42,156.83 121.9,156.83 v2(121.86,156.87) ; v2(133.95,156.44) 133.65,156.14 133.65,155.46 133.1,154.91 133.1,149.57 H2#19.6 ; R11#20.2 171.86,158.21 ; 171.86,158.21 171.72,158.35 171.72,159.68 172.06,160.02 172.06,160.02 173.89,161.85 U8#20.42 ; 171.86,158.21 171.58,157.92 v2(170.6,157.92) 170.3,157.62 170.18,157.62 168.96,156.41 165.24,156.41 164.74,156.91 162.5,156.91 162.42,156.83 158.9,156.83 v2(158.86,156.87) ; v2(170.95,156.44) 170.65,156.14 170.65,155.46 170.1,154.91 170.1,149.57 H2#18.6 ; R11#19.2 208.86,158.21 ; 208.86,158.21 208.72,158.35 208.72,159.68 209.06,160.02 209.06,160.02 210.89,161.85 U8#23.42 ; 208.86,158.21 208.58,157.92 v2(207.6,157.92) 207.3,157.62 207.18,157.62 205.96,156.41 202.24,156.41 201.74,156.91 199.5,156.91 199.42,156.83 195.9,156.83 v2(195.86,156.87) ; v2(207.95,156.44) 207.65,156.14 207.65,155.46 207.1,154.91 207.1,149.57 H2#22.6 ; 282.86,158.21 282.58,157.92 v2(281.6,157.92) 281.3,157.62 281.18,157.62 279.96,156.41 276.24,156.41 275.74,156.91 273.5,156.91 273.42,156.83 269.9,156.83 v2(269.86,156.87) ; 282.86,158.21 R11#25.2 ; 282.86,158.21 282.72,158.35 282.72,159.68 283.06,160.02 283.06,160.02 284.89,161.85 U8#27.42 ; v2(281.95,156.44) 281.65,156.14 281.65,155.46 281.1,154.91 281.1,149.57 H2#25.6 ; R11#26.2 245.86,158.21 ; 245.86,158.21 245.72,158.35 245.72,159.68 246.06,160.02 246.06,160.02 247.89,161.85 U8#26.42 ; 245.86,158.21 245.58,157.92 v2(244.6,157.92) 244.3,157.62 244.18,157.62 242.96,156.41 239.24,156.41 238.74,156.91 236.5,156.91 236.42,156.83 232.9,156.83 v2(232.86,156.87) ; v2(244.95,156.44) 244.65,156.14 244.65,155.46 244.1,154.91 244.1,149.57 H2#24.6 ; 208.86,224.21 208.58,223.92 v2(207.6,223.92) 207.3,223.62 207.18,223.62 205.96,222.41 202.24,222.41 201.74,222.91 199.5,222.91 199.42,222.83 195.9,222.83 v2(195.86,222.87) ; 208.86,224.21 R11#27.2 ; 208.86,224.21 208.72,224.35 208.72,225.68 209.06,226.02 209.06,226.02 210.89,227.85 U8#30.42 ; v2(207.95,222.44) 207.65,222.14 207.65,221.46 207.1,220.91 207.1,215.57 H2#30.6 ; 282.86,224.21 282.58,223.92 v2(281.6,223.92) 281.3,223.62 281.18,223.62 279.96,222.41 276.24,222.41 275.74,222.91 273.5,222.91 273.42,222.83 269.9,222.83 v2(269.86,222.87) ; 282.86,224.21 R11#31.2 ; 282.86,224.21 282.72,224.35 282.72,225.68 283.06,226.02 283.06,226.02 284.89,227.85 U8#32.42 ; R11#32.2 245.86,224.21 ; 245.86,224.21 245.72,224.35 245.72,225.68 246.06,226.02 246.06,226.02 247.89,227.85 U8#31.42 ; 245.86,224.21 245.58,223.92 v2(244.6,223.92) 244.3,223.62 244.18,223.62 242.96,222.41 239.24,222.41 238.74,222.91 236.5,222.91 236.42,222.83 232.9,222.83 v2(232.86,222.87) ; v2(244.95,222.44) 244.65,222.14 244.65,221.46 244.1,220.91 244.1,215.57 H2#31.6 ; v2(281.95,222.44) 281.65,222.14 281.65,221.46 281.1,220.91 281.1,215.57 H2#32.6 ; H2.6 22.1,17.57 22.1,22.91 22.65,23.46 22.65,24.14 v2(22.95,24.44) ; 23.86,26.21 23.72,26.35 23.72,27.68 24.06,28.02 24.06,28.02 25.89,29.85 U8.42 ; 23.86,26.21 R11.2 ; 23.86,26.21 23.58,25.92 v2(22.6,25.92) 22.3,25.62 22.18,25.62 20.96,24.41 17.24,24.41 16.74,24.91 14.5,24.91 14.42,24.83 10.9,24.83 v2(10.86,24.87)